# Altium PCB cyber60-mxhs.PcbDoc (part 4 of 4)
Units mm, origin at the board's own origin, x right, y up, seen from the top; angles counter-clockwise.
Board outline 284.73 x 94.2 mm, 2 copper layers (Component Side, Bottom Layer), stack 1.571 mm thick; 236 components, 146 nets, 1621 pads, 605 vias.
Unrouted connection lines stored in the file: 6.
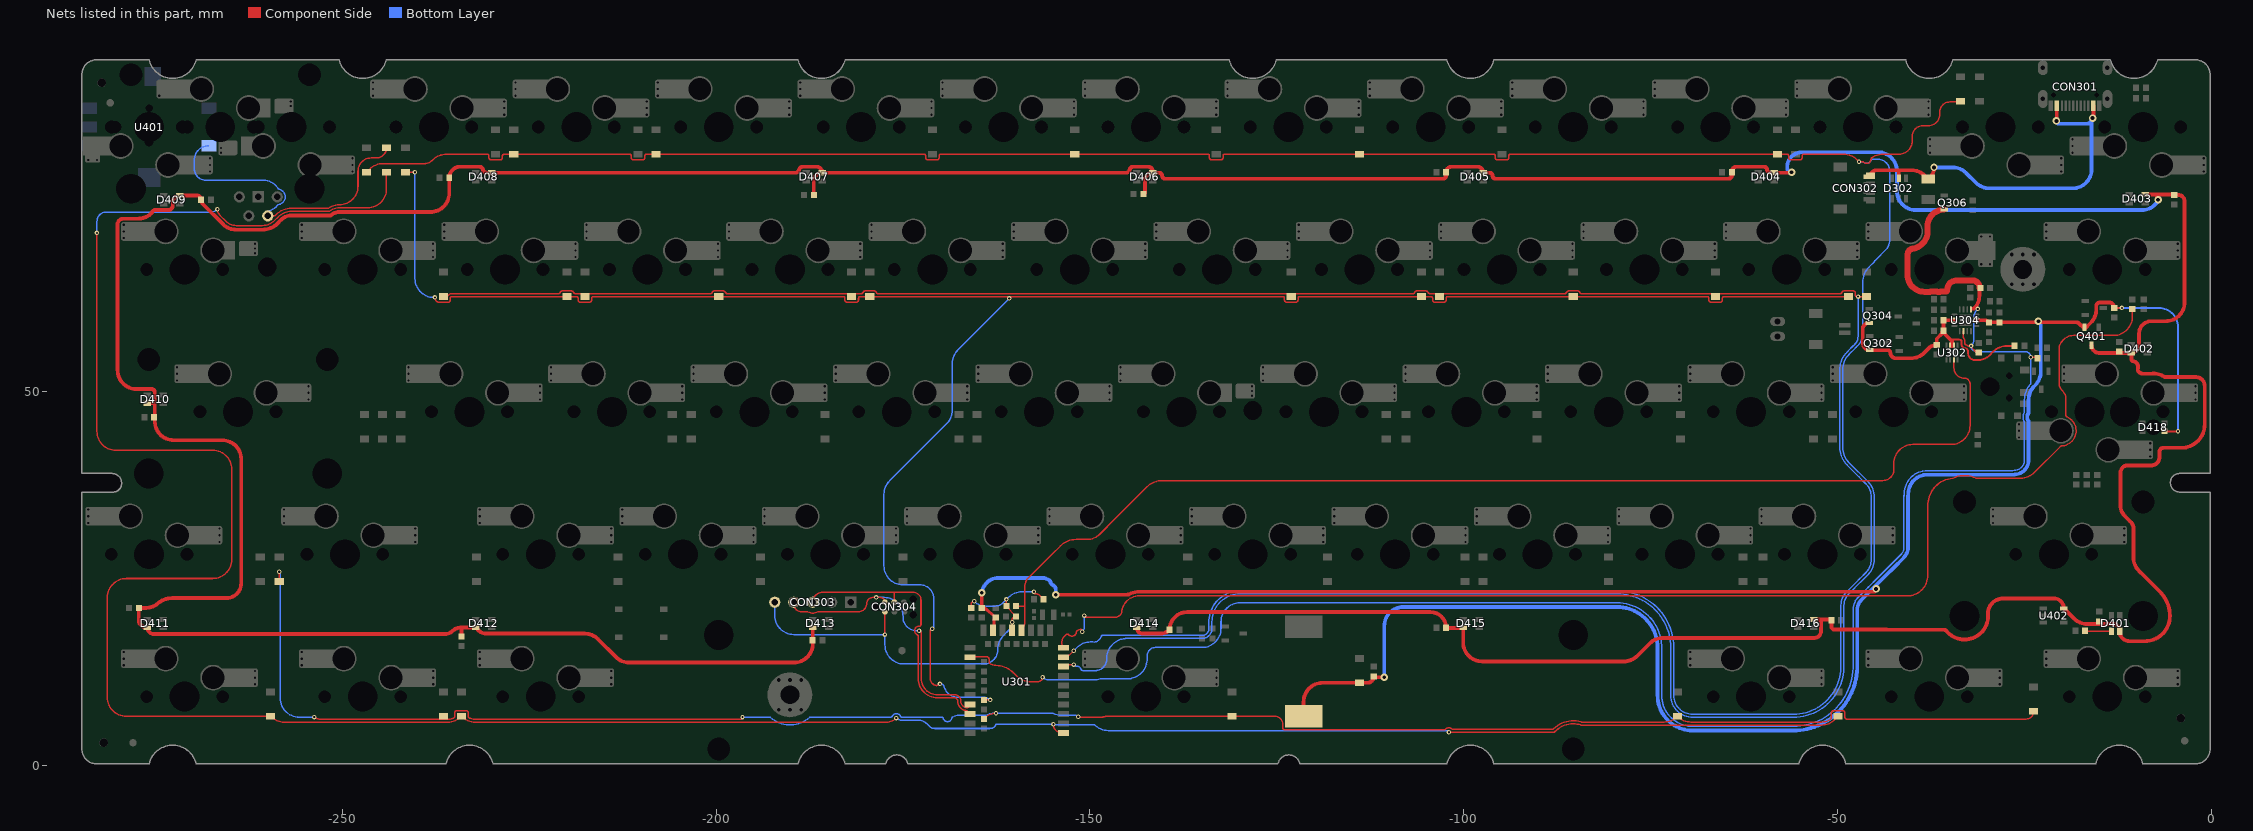
[diagram p4: the nets of this part, all layers, seen from the top]

## Via types
v1: diameter 0.6, hole 0.3, Component Side to Bottom Layer, tented both sides, 594 vias
v2: diameter 1, hole 0.5, Component Side to Bottom Layer, tented both sides, 11 vias

## Nets (pads, with @x,y where several pads share a name; then routed paths per layer and width w, separated by ;. In a path a pad name is that pad's centre, name@x,y a point inside that pad or via, vN(x,y) a via of type N, cw(c..) or ccw(c..) an arc to the next point about the centre after c; other vN are vias at no path point) (continued)
P0.29/AIN5: D202.2 D204.2 D206.2 D208.2 D210.2 D212.2 D214.2 U301.8 | length 431.5
  Component Side w0.203: D214.2@-246.761,79.365 -246.352,79.774 cw(c-244.556,77.978) -244.556,80.518 -239.112,80.518 ccw(c-239.112,82.287) -237.861,81.036 cw(c-236.065,79.24) -236.065,81.78 -230.604,81.78 cw(c-230.604,81.577) -230.401,81.577 -230.401,81.325 ccw(c-230.099,81.325) -230.099,81.023 -228.879,81.023 ccw(c-228.879,81.325) -228.577,81.325 -228.577,81.577 cw(c-228.374,81.577) -228.374,81.78 D212.2@-227.076,81.78 -211.554,81.78 cw(c-211.554,81.577) -211.351,81.577 -211.351,81.325 ccw(c-211.049,81.325) -211.049,81.023 -209.829,81.023 ccw(c-209.829,81.325) -209.527,81.325 -209.527,81.577 cw(c-209.324,81.577) -209.324,81.78 D210.2@-208.026,81.78 -172.184,81.78 cw(c-172.184,81.577) -171.981,81.577 -171.981,81.325 ccw(c-171.679,81.325) -171.679,81.023 -170.459,81.023 ccw(c-170.459,81.325) -170.157,81.325 -170.157,81.577 cw(c-169.954,81.577) -169.954,81.78 D208.2@-152.019,81.78 -134.211,81.78 cw(c-134.211,81.577) -134.008,81.577 -134.008,81.325 ccw(c-133.706,81.325) -133.706,81.023 -132.486,81.023 ccw(c-132.486,81.325) -132.184,81.325 -132.184,81.577 cw(c-131.981,81.577) -131.981,81.78 D206.2@-113.919,81.78 -95.984,81.78 cw(c-95.984,81.577) -95.781,81.577 -95.781,81.325 ccw(c-95.479,81.325) -95.479,81.023 -94.259,81.023 ccw(c-94.259,81.325) -93.957,81.325 -93.957,81.577 cw(c-93.754,81.577) -93.754,81.78 D204.2@-58.039,81.78 -56.741,81.78 cw(c-56.741,81.577) -56.538,81.577 -56.538,81.325 ccw(c-56.236,81.325) -56.236,81.023 -55.016,81.023 ccw(c-55.016,81.325) -54.714,81.325 -54.714,81.577 cw(c-54.511,81.577) -54.511,81.78 -49.177,81.78 cw(c-49.177,79.24) -47.381,81.036 v1(-47.117,80.772) -46.634,80.772 cw(c-46.656,80.57) -46.516,80.717 ccw(c-46.101,81.153) -46.101,80.551 ccw(c-46.101,81.153) -45.5,81.131 cw(c-45.297,81.124) -45.417,81.288 cw(c-43.914,79.24) -43.914,81.78 -41.79,81.78 ccw(c-41.79,83.587) -40.084,82.991 ccw(c-41.79,83.587) -39.983,83.587 -39.983,84.201 cw(c-38.608,84.201) -38.608,85.576 -37.846,85.576 ccw(c-37.846,87.122) -36.3,87.122 -36.3,87.437 cw(c-34.969,87.437) -34.969,88.768 ccw(c-34.969,89.171) -34.917,88.771 cw(c-34.891,88.57) -34.892,88.773 -34.797,88.773 D202.2@-33.528,88.773 ; U301.8@-153.543,13.216 cw(c-153.259,13.216) -153.259,13.5 v1(-152.174,13.5)
  Bottom Layer w0.203: v1(-152.174,13.5) -152.124,13.45 ccw(c-151.765,13.809) -151.765,13.302 cw(c-151.765,12.7) -151.188,12.871 ccw(c-150.994,12.93) -151.049,12.735 ccw(c-150.792,13.673) -150.792,12.7 -149.273,12.7 ccw(c-149.273,14.224) -147.749,14.224 -147.749,14.368 cw(c-147.346,14.37) -147.749,14.391 ccw(c-147.952,14.4) -147.748,14.407 ccw(c-147.949,14.442) -147.746,14.431 cw(c-145.039,14.295) -147.255,15.856 ; -147.254,15.856 cw(c-145.039,14.295) -145.032,17.005 ; -145.91,16.861 cw(c-145.039,14.295) -145.032,17.005 ; -135.128,17.005 ccw(c-135.128,19.545) -135.126,17.005 ; -134.117,17.357 -134.195,17.279 cw(c-134.338,17.424) -134.217,17.26 cw(c-135.001,18.335) -134.997,17.005 -135.126,17.005 ; -55.992,6.439 -58.166,6.439 -69.358,6.439 cw(c-69.358,9.382) -69.363,6.439 cw(c-69.358,9.382) -71.602,7.477 cw(c-69.358,9.382) -72.301,9.38 cw(c-69.358,9.382) -72.301,9.382 -72.301,9.606 -72.301,14.224 -72.301,14.285 -72.301,16.102 ccw(c-72.704,16.103) -72.311,16.193 cw(c-72.113,16.236) -72.315,16.222 ccw(c-79.502,15.769) -79.016,22.954 cw(c-79,23.156) -79.047,22.959 ccw(c-79.143,22.567) -79.143,22.97 -79.883,22.97 -129.921,22.97 ccw(c-129.921,19.221) -133.399,20.622 ccw(c-129.921,19.221) -133.671,19.221 -133.671,18.335 cw(c-135.001,18.335) -133.725,17.957 cw(c-135.001,18.335) -134.666,17.047 cw(c-134.716,17.244) -134.679,17.045 cw(c-135.128,19.545) -135.126,17.005 ; -55.992,6.439 ccw(c-55.991,6.842) -55.99,6.439 ccw(c-55.991,6.842) -55.981,6.439 cw(c-55.978,6.236) -55.979,6.439 -55.891,6.439 ccw(c-55.889,6.842) -55.887,6.439 ccw(c-55.949,13.263) -49.127,13.085 ccw(c-49.53,13.095) -49.127,13.095 -49.127,21.432 cw(c-46.99,21.432) -48.5,22.944 -48.326,23.118 -46.899,24.545 ccw(c-47.183,24.831) -46.897,24.547 -46.86,24.584 cw(c-41.452,19.138) -46.844,24.6 cw(c-46.702,24.455) -46.816,24.622 -45.924,25.515 ccw(c-48.006,27.595) -45.063,27.595 -45.063,35.905 ccw(c-48.006,35.905) -45.924,37.985 -48.437,40.498 cw(c-46.355,42.579) -48.438,40.499 cw(c-46.355,42.579) -49.298,42.579 -49.298,52.929 cw(c-46.355,52.929) -48.437,55.009 -47.585,55.862 ; -47.484,55.967 ccw(c-48.768,57.404) -47.334,56.117 ; -47.333,56.117 cw(c-47.183,55.981) -47.327,56.123 -47.182,56.269 ccw(c-47.326,56.412) -47.175,56.276 ccw(c-48.768,57.7) -46.631,57.7 -46.631,64.607 cw(c-43.688,64.607) -46.407,65.733 cw(c-43.688,64.607) -45.77,66.687 -45.053,67.405 cw(c-44.85,67.384) -44.995,67.527 -43.357,69.165 ccw(c-43.502,69.307) -43.331,69.198 ccw(c-45.133,70.347) -43.007,70.128 ccw(c-43.209,70.147) -43.006,70.146 -43.006,70.478 cw(c-42.803,70.478) -43.005,70.5 -42.997,70.574 ccw(c-43.199,70.596) -42.996,70.595 -42.996,79.502 ccw(c-44.577,79.502) -43.124,80.125 ccw(c-44.577,79.502) -44.577,81.083 -45.345,81.083 ccw(c-45.344,80.88) -45.457,81.049 ccw(c-45.344,80.88) -45.535,80.95 cw(c-46.101,81.153) -45.566,80.877 cw(c-46.101,81.153) -45.917,80.58 -45.977,80.561 cw(c-46.039,80.755) -46.039,80.551 -46.101,80.551 cw(c-46.101,81.153) -46.515,80.717 ccw(c-46.655,80.569) -46.654,80.772 v1(-47.117,80.772) ; -145.032,17.005 -141.097,17.005 -135.163,17.005 -135.126,17.005
P0.30/AIN6: R401.1 U301.10 | length 182.6
  Component Side w0.203: -153.475,17.216 ccw(c-152.845,16.587) -153.735,16.587 -153.735,16.219 ccw(c-153.08,16.219) U301.10@-153.543,15.756 U301.10@-153.193,15.756 ; -153.474,17.216 -153.158,17.532 cw(c-153.015,17.388) -152.86,17.519 ccw(c-152.4,17.907) -152.59,17.336 ccw(c-152.4,17.907) -151.8,17.857 cw(c-151.598,17.839) -151.724,17.999 cw(c-151.003,17.06) -151.266,18.214 cw(c-151.221,18.016) -151.019,17.993 ccw(c-150.522,17.934) -151.022,17.934 v1(-151.022,17.907) v1@-151.042,17.907 ; v1@-150.749,19.856 -146.582,19.856 ; -146.581,19.856 ccw(c-146.58,20.71) -145.726,20.71 cw(c-145.323,20.71) -145.707,20.833 ccw(c-145.901,20.893) -145.702,20.852 cw(c-144.318,20.57) -145.683,20.935 cw(c-143.392,20.325) -143.392,22.695 -46.228,22.695 -40.667,22.695 ccw(c-40.667,25.45) -38.778,23.445 ccw(c-38.918,23.592) -38.775,23.448 -38.665,23.558 ccw(c-38.81,23.701) -38.663,23.561 ccw(c-40.667,25.45) -37.913,25.45 -37.913,34.804 cw(c-34.273,34.804) -37.907,35.001 cw(c-34.273,34.804) -34.589,38.43 ccw(c-34.607,38.632) -34.564,38.434 cw(c-34.475,38.041) -34.55,38.437 ccw(c-34.59,38.636) -34.504,38.452 cw(c-32.994,35.25) -31.506,38.462 ccw(c-31.422,38.647) -31.423,38.444 -25.473,38.444 ccw(c-25.473,40.984) -23.677,39.188 -20.174,42.691 cw(c-20.031,42.546) -20.038,42.749 ccw(c-20.104,44.775) -19.857,42.763 ccw(c-20.104,44.775) -18.083,44.62 ccw(c-20.104,44.775) -19.309,46.639 cw(c-19.228,46.825) -19.431,46.824 -19.431,49.002 ccw(c-21.013,49.002) -19.894,50.12 ; -19.895,50.121 cw(c-18.776,51.239) -20.358,51.239 -20.358,55.588 cw(c-18.415,55.588) -18.415,57.531 -13.081,57.531 ccw(c-13.081,60.071) -10.541,60.071 R401.1@-10.541,61.072
  Bottom Layer w0.203: v1(-151.022,17.907) ccw(c-151.683,18.567) -150.815,18.221 ccw(c-151.683,18.567) -150.749,18.567 v1(-150.749,20.066)
P0.31/AIN7: D215.2 D217.2 D219.2 D221.2 D223.2 D225.2 D227.2 U301.9 | length 371.3
  Component Side w0.203: D227.2@-236.474,62.73 -236.059,62.73 ccw(c-236.059,62.933) -235.884,62.831 cw(c-235.359,62.527) -235.359,63.133 -221.056,63.133 ccw(c-221.056,63.336) -220.862,63.275 cw(c-220.574,63.185) -220.574,63.487 -219.354,63.487 cw(c-219.354,63.185) -219.066,63.275 ccw(c-218.872,63.336) -218.872,63.133 -217.551,63.133 -200.736,63.133 ccw(c-200.736,63.336) -200.542,63.275 cw(c-200.254,63.185) -200.254,63.487 -199.034,63.487 cw(c-199.034,63.185) -198.746,63.275 ccw(c-198.552,63.336) -198.552,63.133 -186.69,63.133 -185.64,63.133 -182.977,63.133 -180.543,63.133 ccw(c-180.543,63.336) -180.349,63.275 cw(c-180.061,63.185) -180.061,63.487 -178.841,63.487 cw(c-178.841,63.185) -178.553,63.275 ccw(c-178.359,63.336) -178.359,63.133 -154.051,63.133 -121.158,63.133 -106.756,63.133 ccw(c-106.756,63.336) -106.562,63.275 cw(c-106.274,63.185) -106.274,63.487 -105.054,63.487 cw(c-105.054,63.185) -104.766,63.275 ccw(c-104.572,63.336) -104.572,63.133 -102.849,63.133 -100.759,63.133 -100.203,63.133 -86.436,63.133 ccw(c-86.436,63.336) -86.242,63.275 cw(c-85.954,63.185) -85.954,63.487 -84.734,63.487 cw(c-84.734,63.185) -84.446,63.275 ccw(c-84.252,63.336) -84.252,63.133 -68.707,63.133 -66.294,63.133 -53.707,63.133 -49.53,63.133 ccw(c-49.61,63.32) -49.415,63.266 cw(c-49.124,63.185) -49.124,63.487 -47.904,63.487 cw(c-47.904,63.185) -47.602,63.185 -47.602,62.933 ccw(c-47.399,62.933) -47.399,62.73 D215.2@-46.101,62.73 ; v1(-152.146,15.367) -152.662,14.851 cw(c-153.543,15.732) U301.9@-153.118,14.561 ; U301.9@-153.118,14.561 cw(c-153.543,15.732) U301.9@-153.543,14.486 -153.193,14.486 U301.9@-153.118,14.561
  Bottom Layer w0.203: v1(-152.146,15.367) -151.728,15.785 cw(c-149.932,13.989) -149.932,16.529 -149.604,16.529 ccw(c-149.479,17.526) -148.51,17.26 cw(c-148.315,17.205) -148.316,17.408 -135.128,17.408 ccw(c-135.128,19.545) -134.768,17.438 ccw(c-134.804,17.638) -134.75,17.442 ccw(c-135.001,18.335) -134.483,17.566 ccw(c-134.598,17.734) -134.455,17.589 -134.402,17.643 cw(c-134.117,17.357) -134.34,17.693 ccw(c-134.453,17.862) -134.3,17.728 ccw(c-135.001,18.335) -134.074,18.335 -134.074,19.221 cw(c-129.921,19.221) -134.069,19.422 ; -134.069,19.423 cw(c-129.921,19.221) -130.123,23.368 ccw(c-130.134,23.571) -130.088,23.373 -78.892,23.373 ccw(c-78.813,23.561) -78.886,23.371 -78.854,23.362 ccw(c-78.758,23.541) -78.779,23.339 cw(c-79.502,15.769) -72.098,17.5 ccw(c-71.9,17.547) -72.096,17.495 cw(c-78.205,15.871) -71.904,16.366 ccw(c-71.708,16.423) -71.898,16.35 -71.898,16.101 -71.898,14.693 -71.898,14.224 ; -71.898,14.223 -71.898,9.382 ccw(c-69.358,9.382) -69.363,6.842 -55.991,6.842 -55.889,6.842 ccw(c-55.949,13.263) -49.53,13.095 -49.53,21.432 cw(c-46.99,21.432) -48.786,23.228 -47.183,24.831 cw(c-41.452,19.138) -46.99,25.019 -46.21,25.799 ccw(c-48.006,27.595) -45.466,27.595 -45.466,35.905 ccw(c-48.006,35.905) -46.21,37.701 -47.117,38.608 -48.719,40.21 cw(c-46.355,42.579) -48.724,40.215 cw(c-46.355,42.579) -49.701,42.579 -49.701,52.929 cw(c-46.355,52.929) -49.52,54.015 cw(c-46.355,52.929) -48.721,55.296 -48.579,55.437 -47.871,56.145 ccw(c-49.381,57.658) -47.796,56.225 cw(c-47.348,55.816) -47.754,56.266 ccw(c-48.768,57.404) -47.244,57.404 v1(-47.244,62.738)
P1.00: D216.2 D218.2 D220.2 D222.2 D224.2 D226.2 D228.2 U301.36 | length 288.2
  Component Side w0.203: D228.2@-241.554,79.365 -241.554,79.375 v1(-240.284,79.375) ; v1(-237.617,62.611) -237.617,62.608 ccw(c-236.982,62.608) -237.3,62.059 cw(c-237.402,61.883) -237.274,62.041 ccw(c-237.084,62.275) -237.084,61.973 -235.864,61.973 ccw(c-235.864,62.275) -235.562,62.275 -235.562,62.527 cw(c-235.359,62.527) -235.359,62.73 D226.2@-219.964,62.73 -218.666,62.73 cw(c-218.666,62.527) -218.463,62.527 -218.463,62.275 ccw(c-218.161,62.275) -218.161,61.973 -216.941,61.973 ccw(c-216.941,62.275) -216.639,62.275 -216.639,62.527 cw(c-216.436,62.527) -216.436,62.73 D224.2@-199.644,62.73 -182.979,62.73 cw(c-182.979,62.527) -182.776,62.527 -182.776,62.275 ccw(c-182.474,62.275) -182.474,61.973 -181.254,61.973 ccw(c-181.254,62.275) -180.952,62.275 -180.952,62.527 cw(c-180.749,62.527) -180.749,62.73 D222.2@-179.451,62.73 -124.178,62.73 cw(c-124.178,62.527) -123.975,62.527 -123.975,62.275 ccw(c-123.673,62.275) -123.673,61.973 -122.453,61.973 ccw(c-122.453,62.275) -122.151,62.275 -122.151,62.527 cw(c-121.948,62.527) -121.948,62.73 D220.2@-105.664,62.73 -105.664,62.563 cw(c-105.291,62.23) -105.291,62.73 -104.366,62.73 cw(c-104.366,62.527) -104.163,62.527 -104.163,62.275 ccw(c-103.861,62.275) -103.861,61.973 -102.641,61.973 ccw(c-102.641,62.275) -102.339,62.275 -102.339,62.527 cw(c-102.136,62.527) -102.136,62.73 D218.2@-85.344,62.73 -67.409,62.73 cw(c-67.409,62.527) -67.206,62.527 -67.206,62.275 ccw(c-66.904,62.275) -66.904,61.973 -65.684,61.973 ccw(c-65.684,62.275) -65.382,62.275 -65.382,62.527 cw(c-65.179,62.527) -65.178,62.73 D216.2@-48.514,62.73 ; v1(-171.1,18.288) ccw(c-171.1,18.038) -171.35,18.038 -171.35,11.643 ccw(c-170.397,11.643) -170.735,10.752 ; -170.735,10.752 ccw(c-170.397,11.643) -170.542,10.701 ccw(c-170.512,10.902) -170.353,10.776 cw(c-170.053,10.541) v1(-170.053,10.922) ; U301.36@-164.193,8.771 v1(-163.322,8.771)
  Bottom Layer w0.203: v1(-240.284,79.375) -240.284,65.151 ccw(c-237.744,65.151) -237.744,62.611 v1(-237.617,62.611) ; v1(-171.1,18.288) -170.952,18.436 ccw(c-171.096,18.579) -170.893,18.579 -170.893,20.385 ccw(c-171.096,20.385) -170.893,20.389 -170.894,20.433 cw(c-169.884,20.455) -170.889,20.56 cw(c-169.884,20.455) -170.888,20.564 ccw(c-171.486,20.626) -170.89,20.706 cw(c-169.888,20.828) -170.898,20.826 ; -170.898,20.827 -170.898,21.082 -170.898,22.359 ccw(c-172.713,22.359) -171.966,24.013 ccw(c-172.713,22.359) -172.538,24.166 ccw(c-172.713,22.359) -172.625,24.172 ccw(c-172.713,22.359) -172.703,24.174 cw(c-172.7,24.378) -172.709,24.175 -175.006,24.175 cw(c-175.006,26.715) -177.546,26.715 -177.546,36.286 cw(c-175.006,36.286) -176.802,38.082 -169.146,45.738 ccw(c-170.942,47.534) -168.402,47.534 -168.402,53.812 cw(c-165.862,53.812) -167.658,55.608 v1(-160.782,62.484) ; v1(-170.053,10.922) -169.976,10.922 cw(c-169.976,10.401) -169.605,10.767 cw(c-169.751,10.625) -169.603,10.765 ccw(c-169.164,11.176) -169.595,10.757 cw(c-169.742,10.616) -169.592,10.753 cw(c-169.976,10.401) -169.582,10.742 ccw(c-169.43,10.876) -169.536,10.703 ccw(c-167.64,11.049) -167.64,9.122 -164.169,9.122 cw(c-164.169,7.924) -163.68,9.017 cw(c-164.169,7.924) v1(-163.322,8.771)
P1.04: D257.2 D259.2 D261.2 D265.2 D267.2 U301.40 | length 263.3
  Component Side w0.203: D267.2@-258.445,24.63 v1(-258.445,25.908) ; v1(-253.746,6.477) ccw(c-253.133,7.09) -253.133,6.223 -235.591,6.223 ccw(c-235.895,8.338) -235.297,6.287 ccw(c-235.895,8.338) -235.1,6.355 -235.032,6.422 ccw(c-235.176,6.566) -234.973,6.566 -234.973,7.035 cw(c-234.671,7.035) -234.671,7.337 -233.451,7.337 cw(c-233.451,7.035) -233.149,7.035 -233.149,6.707 ccw(c-231.926,6.707) -233.132,6.504 ccw(c-232.932,6.538) -233.007,6.349 ccw(c-232.227,8.338) -232.698,6.254 ccw(c-232.227,8.338) -232.227,6.201 -196.745,6.201 ccw(c-196.745,6.477) v1(-196.469,6.477) ; U301.40@-164.044,6.38 cw(c-162.584,4.92) -164.043,6.381 cw(c-162.584,4.92) -163.878,6.529 cw(c-162.584,4.92) -162.584,6.985 v1(-162.56,6.985) ; v1(-151.572,6.538) -151.556,6.522 ccw(c-151.413,6.666) -151.413,6.463 -148.443,6.463 ccw(c-148.443,7.1) -148.261,6.489 cw(c-148.202,6.295) -148.205,6.498 ccw(c-148.209,7.1) -147.945,6.559 cw(c-147.855,6.377) -147.856,6.58 D261.2@-131,6.58 -125.244,6.58 cw(c-125.244,5.549) -124.214,5.549 -124.214,5.073 ccw(c-123.912,5.073) -123.912,4.771 -121.666,4.771 -102.575,4.771 ccw(c-102.576,4.975) -102.423,4.841 cw(c-101.97,4.445) -101.574,4.898 ccw(c-101.441,5.051) -101.442,4.848 -99.961,4.848 -95.758,4.848 -88.124,4.848 ccw(c-88.125,5.051) -87.983,4.906 cw(c-85.349,2.23) -84.276,5.828 ccw(c-84.219,6.023) -84.22,5.82 -73.186,5.82 ccw(c-73.186,8.36) -71.39,6.564 ccw(c-69.594,8.36) -69.594,5.82 -52.127,5.82 ccw(c-52.127,7.957) -50.94,6.179 ccw(c-51.054,6.348) -50.861,6.284 ccw(c-51.613,6.528) -50.823,6.528 -50.823,7.035 cw(c-50.521,7.035) -50.521,7.337 -49.301,7.337 cw(c-49.301,7.035) -48.999,7.035 -48.999,6.426 ccw(c-48.796,6.426) -48.796,6.223 -24.781,6.223 ccw(c-24.781,7.255) D257.2@-23.749,7.255
  Bottom Layer w0.203: v1@-258.318,25.654 -258.318,9.017 ccw(c-255.778,9.017) -255.778,6.477 v1(-253.746,6.477) ; v1(-196.469,6.477) -192.873,6.477 cw(c-192.874,6.274) -192.742,6.428 ccw(c-190.119,9.45) -187.496,6.428 cw(c-187.364,6.274) -187.365,6.477 -176.628,6.477 ccw(c-176.629,6.68) -176.444,6.596 cw(c-175.895,6.35) -175.346,6.596 ccw(c-175.161,6.68) -175.162,6.477 -169.815,6.477 cw(c-169.816,6.274) -169.619,6.326 ccw(c-169.037,6.477) -169.55,6.162 ccw(c-169.037,6.477) -168.447,6.358 cw(c-168.248,6.317) -168.346,6.495 cw(c-167.504,4.944) -167.504,6.709 -164.719,6.709 -164.465,6.709 ; -164.464,6.709 -164.242,6.709 ccw(c-164.242,8.413) -163.505,6.876 cw(c-163.416,6.694) -163.393,6.896 ccw(c-163.322,7.493) -163.04,6.962 cw(c-162.945,6.782) -162.946,6.985 v1(-162.56,6.985) -155.021,6.985 cw(c-155.022,6.782) -154.942,6.969 ccw(c-153.783,9.674) -153.783,6.731 -151.849,6.731
P1.09: R304.2 U301.17 U302.7 | length 154.4
  Component Side w0.203: R304.2@-159.878,21.336 -158.725,21.336 ; U301.17@-158.863,18.165 -158.865,18.165 U301.17@-159.163,18.106 ccw(c-160.221,19.164) -158.725,19.164 ; -158.723,19.068 ccw(c-158.926,19.059) -158.724,19.073 cw(c-158.321,19.103) -158.725,19.103 -158.725,19.164 ; -155.062,28.262 -158.213,25.111 ccw(c-156.98,23.876) -158.725,23.876 -158.725,21.336 ; -155.061,28.262 -153.944,29.379 cw(c-151.845,27.28) -153.539,29.718 cw(c-151.845,27.28) -151.845,30.248 -150.392,30.248 ccw(c-150.392,32.814) -149.194,30.545 ccw(c-149.29,30.724) -149.188,30.549 ccw(c-150.288,32.41) -148.758,30.883 -146.5,33.14 ; -146.5,33.141 -142.387,37.253 cw(c-140.288,35.154) -140.288,38.122 -43.942,38.122 ccw(c-43.942,39.624) -42.45,39.449 -42.45,40.408 cw(c-39.91,40.408) -39.91,42.948 -34.798,42.948 ccw(c-34.798,45.488) -32.258,45.488 -32.258,51.054 ccw(c-33.02,51.054) -33.02,51.816 cw(c-33.02,53.217) -34.421,53.217 U302.7@-34.421,54.3 ; -158.725,19.164 -158.725,21.336
P1.11: D258.2 D264.2 D266.2 D270.2 U301.1 | length 376.4
  Component Side w0.203: v1(-282.829,71.247) -282.829,44.704 ccw(c-280.289,44.704) -280.289,42.164 -267.335,42.164 cw(c-267.335,39.624) -264.795,39.624 -264.795,27.559 cw(c-267.335,27.559) -267.335,25.019 -278.892,25.019 ccw(c-278.892,22.479) -281.432,22.479 -281.432,9.12 ccw(c-278.892,9.12) -278.892,6.58 D266.2@-259.588,6.58 -259.55,6.542 ccw(c-257.754,8.338) -257.754,5.798 -235.895,5.798 ccw(c-235.895,8.338) -234.099,6.542 D264.2@-234.061,6.58 -234.023,6.542 ccw(c-232.227,8.338) -232.227,5.798 -177.228,5.798 ccw(c-177.228,7.683) v1(-175.895,6.35) ; v1(-266.7,74.422) ccw(c-265.531,74.422) -266.358,73.595 -265.576,72.814 cw(c-265.968,72.42) -265.575,72.812 ccw(c-264.171,74.216) -264.171,72.231 -260.69,72.231 ccw(c-260.69,74.508) -259.08,72.898 -258.586,73.392 cw(c-256.79,71.596) -256.79,74.136 -254,74.136 -251.832,74.136 ccw(c-251.832,74.339) -251.713,74.174 cw(c-250.401,72.347) -250.401,74.597 -248.074,74.597 -246.634,74.597 ccw(c-246.634,77.137) -246.632,74.597 ccw(c-246.634,77.137) -244.094,77.137 D270.2@-244.094,79.365 ; v1(-154.874,5.522) ccw(c-153.678,5.522) -153.678,4.326 U301.1@-153.543,4.326 ; v1(-101.97,4.445) -87.954,4.445 ccw(c-87.955,4.648) -87.806,4.509 cw(c-85.349,2.23) -85.342,5.581 cw(c-85.349,2.23) -84.34,5.426 ccw(c-84.28,5.62) -84.281,5.417 -52.127,5.417 ccw(c-52.127,7.957) -50.33,6.161 D258.2@-49.949,6.542
  Bottom Layer w0.203: v1(-282.829,71.247) -282.829,72.771 cw(c-281.559,72.771) -281.559,74.041 -267.62,74.041 ccw(c-267.62,75.342) v1(-266.7,74.422) ; v1(-175.895,6.35) ccw(c-175.228,7.017) -175.435,6.097 ccw(c-175.228,7.017) -175.228,6.074 -173.047,6.074 cw(c-173.047,4.217) -171.736,5.531 ; -149.241,5.324 cw(c-147.543,7.229) -149.327,5.404 ccw(c-149.468,5.258) -149.467,5.461 -152.108,5.461 ccw(c-152.107,5.258) -152.164,5.453 cw(c-152.334,6.03) -152.504,5.453 ccw(c-152.561,5.258) -152.56,5.461 -154.813,5.461 cw(c-154.813,5.522) v1(-154.874,5.522) -162.438,5.522 ccw(c-162.437,5.319) -162.628,5.388 cw(c-163.195,5.588) -163.219,4.987 ccw(c-163.227,4.784) -163.294,4.976 cw(c-163.427,5.356) -163.427,4.953 -164.592,4.953 -170.726,4.953 cw(c-170.726,5.995) -170.985,4.986 ccw(c-171.034,4.788) -171.011,4.99 cw(c-170.942,5.588) -171.367,5.162 cw(c-170.942,5.588) -171.368,5.163 cw(c-170.942,5.588) -171.398,5.196 ccw(c-171.552,5.063) -171.419,5.216 cw(c-170.726,5.995) -171.463,5.258 -171.735,5.53 ; -149.24,5.323 ccw(c-147.543,7.229) -147.543,4.677 -102.202,4.677 cw(c-102.202,4.445) v1(-101.97,4.445) ; -171.735,5.53 ccw(c-173.047,4.217) -171.736,5.531
RAW: CON301.A4B9 CON301.B4A9 CON302.1 D302.5 F301.2 | length 50.7
  Component Side w0.5: CON302.1@-45.625,78.75 cw(c-44.746,78.75) -44.746,79.629 -41.783,79.629 ; D302.5@-41.783,78.591 -41.783,79.629 ; v2(-37.084,80.01) -37.084,79.976 cw(c-38.955,79.976) -37.632,78.653 F301.2@-37.846,78.439 -38.292,78.885 ccw(c-40.088,77.089) -40.088,79.629 -41.783,79.629 ; v2(-20.701,86.233) ccw(c-20.701,86.284) -20.65,86.284 CON301.B4A9@-20.65,88.25 ; v2(-15.875,86.614) ccw(c-16.177,86.916) -15.75,86.916 CON301.A4B9@-15.75,88.25
  Bottom Layer w0.5: v2(-37.084,80.01) -34.58,80.01 cw(c-34.58,77.47) -32.784,79.266 -31.478,77.96 ccw(c-29.682,79.756) -29.682,77.216 -18.542,77.216 ccw(c-18.542,79.756) -16.002,79.756 -16.002,86.487 cw(c-16.637,86.487) -16.637,85.852 -20.32,85.852 cw(c-20.32,86.233) v2(-20.701,86.233)
ROT_SW_A1: CON401.1 D270.1 U401.1 | length 44.9
  Component Side w0.203: CON401.1@-259.969,73.533 -259.099,73.533 ccw(c-259.099,73.736) -258.956,73.592 -258.87,73.678 cw(c-256.79,71.596) -256.79,74.539 -254,74.539 -251.956,74.539 ccw(c-251.956,74.743) -251.845,74.572 cw(c-250.401,72.347) -250.401,75 ccw(c-250.401,77.497) -247.904,77.497 -247.904,79.502 cw(c-246.126,79.502) -246.126,81.28 -245.449,81.28 ccw(c-245.449,82.635) D270.1@-244.094,82.635
  Bottom Layer w0.203: U401.1@-267.844,82.915 ccw(c-267.844,80.928) -269.831,80.928 -269.831,80.347 ccw(c-268.097,80.347) -269.825,80.207 cw(c-270.628,80.138) -269.825,80.206 cw(c-270.628,80.138) -269.825,80.202 cw(c-270.628,80.138) -269.822,80.136 -269.822,79.874 ccw(c-268.224,79.874) -268.224,78.276 -260.499,78.276 cw(c-260.499,76.073) -258.602,77.193 ccw(c-258.428,77.298) -258.473,77.1 cw(c-258.699,76.073) -258.428,77.089 cw(c-258.699,76.073) -258.427,77.089 ; CON401.1@-259.969,73.533 -259.969,73.669 cw(c-258.613,73.669) -259.899,74.1 cw(c-259.706,74.034) -259.753,74.232 ccw(c-260.187,76.073) -258.613,75.025 ccw(c-258.699,76.073) -258.427,77.089 ; -257.647,76.073 ccw(c-258.699,76.073) -258.427,77.089
SWDCLK: CON303.3 CON304.4 U301.39 | length 38
  Component Side w0.203: CON303.3@-187.071,21.844 cw(c-185.718,21.844) -185.718,23.197 -176.149,23.197 ; CON304.4@-176.149,21.844 -176.149,23.197 ; U301.39@-166.043,6.866 -166.37,7.164 -166.37,7.176 ccw(c-166.571,7.147) -166.553,7.35 cw(c-166.432,8.574) -166.647,7.363 cw(c-166.432,8.574) -167.662,8.574 ccw(c-168.166,8.574) -167.676,8.693 ccw(c-168.166,8.574) -168.166,9.077 -170.397,9.077 cw(c-170.397,11.643) -172.963,11.643 -172.963,17.296 ccw(c-173.166,17.295) -173.085,17.482 cw(c-172.847,18.034) -172.808,18.634 ccw(c-172.796,18.837) -172.593,18.836 -172.593,22.106 ccw(c-173.684,22.106) -173.684,23.197 -176.149,23.197
SWDIO: CON303.4 CON304.2 U301.37 | length 38.7
  Component Side w0.203: CON303.4@-189.581,21.568 ccw(c-188.586,21.568) -189.58,21.54 ccw(c-188.586,21.568) -189.14,20.743 ccw(c-188.586,21.568) -188.586,20.574 -187.833,20.574 cw(c-187.832,20.371) -187.738,20.551 ccw(c-187.071,21.844) -186.404,20.551 cw(c-186.31,20.371) -186.309,20.574 -180.975,20.574 ccw(c-180.975,21.717) -179.832,21.717 cw(c-179.07,21.717) -179.07,22.479 v1(-178.562,22.479) -178.054,22.479 cw(c-178.054,21.844) CON304.2@-177.419,21.844 ; v1(-172.847,18.034) cw(c-172.847,17.747) -172.56,17.747 -172.56,11.643 ccw(c-170.397,11.643) -170.397,9.481 -168.166,9.481 cw(c-168.166,8.574) -167.259,8.574 ccw(c-166.432,8.574) -166.432,7.747 ccw(c-166.432,8.136) U301.37@-166.043,8.136 U301.37@-166.696,8.136
  Bottom Layer w0.203: v1(-178.562,22.479) -177.528,22.479 cw(c-177.528,19.939) -174.988,19.939 -174.988,19.83 ccw(c-173.191,19.83) -173.191,18.034 v1(-172.847,18.034)
UG_OUT: D401.4 R407.1 | length 3.6
  Component Side w0.203: R407.1@-16.876,18.034 ccw(c-16.777,18.034) -16.777,17.935 D401.4@-13.35,17.935
VBAT: C307.2 C312.2 C313.2 Q302.2 Q304.2 R311.2 U302.2 U302.3 U304.2 U304.3 | length 33.2
  Component Side w0.254: -34.671,57.013 -34.026,57.013 cw(c-34.026,55.499) -33.556,56.938 cw(c-33.635,56.697) -33.381,56.698 -33.381,56.217 ccw(c-33.054,56.217) -33.12,55.897 cw(c-33.12,55.288) -32.512,55.288 -32.512,55.115 ccw(c-31.646,55.115) -31.646,54.249 -31.115,54.249 ccw(c-31.115,56.263) -29.692,54.838 ; -29.691,54.839 -29.14,55.39 cw(c-27.344,53.594) -27.344,56.134 R311.2@-26.304,56.134
  Component Side w0.5: Q304.2@-45.72,59.187 -45.842,59.187 ccw(c-45.842,58.42) -46.609,58.42 -46.609,56.524 ccw(c-45.65,56.524) Q302.2@-45.65,55.565 -43.246,55.565 cw(c-43.246,55.245) -42.926,55.245 ccw(c-42.164,55.245) -42.164,54.483 -40.179,54.483 ccw(c-40.179,57.048) -38.365,55.234 -37.761,55.838 cw(c-36.703,54.779) C307.2@-36.703,56.276 -36.703,57.101 -35.949,57.855 -35.949,57.991 C312.2@-35.799,58.141 ; -34.671,56.134 -34.671,56.769 -35.799,57.897 C312.2@-35.799,58.166 C313.2@-35.799,59.563 -34.417,59.563
VBUS: C308.2 C309.2 Q306.2 R305.1 U301.27 U304.6 U304.13 | length 247.4
  Component Side w0.203: U301.27@-165.924,14.605 U301.27@-166.043,14.486 cw(c-165.882,14.325) -165.882,14.553 -163.793,14.553 cw(c-163.793,14.251) -163.491,14.251 -163.491,13.837 ccw(c-163.288,13.838) -163.404,13.671 ccw(c-162.48,15.017) -162.573,13.387 ccw(c-162.562,13.59) -162.566,13.387 cw(c-162.604,10.041) -160.239,12.408 cw(c-162.604,10.041) -160.237,12.407 ; -160.236,12.406 -159.795,11.964 ccw(c-157.999,13.76) -157.999,11.22 -156.928,11.22 ccw(c-156.928,11.811) -156.371,11.614 ccw(c-156.928,11.811) v1(-156.337,11.811) ; U304.6@-33.143,58.113 -33.143,57.244 ccw(c-32.94,57.246) -33.1,57.121 cw(c-33.635,56.697) -32.965,56.827 cw(c-33.635,56.697) -32.952,56.697 -32.952,56.471 ccw(c-32.749,56.472) -32.811,56.278 cw(c-33.12,55.288) -32.462,56.09 ; v1@-32.218,56.046 -31.438,55.274 C308.2@-31.115,54.976 ; v1(-24.13,54.61) -23.563,54.61 cw(c-23.563,54.176) R305.1@-23.256,54.483
  Component Side w0.5: -32.004,61.09 -31.747,61.09 ccw(c-33.543,62.886) -31.003,62.886 C309.2@-31.003,63.881
  Component Side w0.8: -38.354,63.373 cw(c-38.354,65.644) -40.625,65.644 -40.625,68.315 cw(c-39.765,68.315) -40.417,68.875 cw(c-39.811,68.353) -39.928,69.145 ccw(c-40.265,71.445) -39.765,69.174 ccw(c-39.844,69.971) -39.489,69.253 ccw(c-40.265,71.445) -37.941,71.513 cw(c-37.141,71.533) -37.941,71.531 -37.941,72.164 cw(c-35.744,72.164) Q306.2@-35.744,74.361 ; -38.1,63.373 -37.655,63.373 ccw(c-37.658,64.173) -37.568,63.378 cw(c-37.499,62.782) -37.499,63.382 -36.699,63.382 cw(c-36.699,62.782) -36.63,63.378 ccw(c-36.54,64.173) -36.543,63.373 -36.354,63.373 ccw(c-36.358,64.173) -36.269,63.378 cw(c-36.199,62.782) -36.199,63.382 -35.551,63.382 ccw(c-35.551,63.616) -35.317,63.616 cw(c-34.036,63.616) -34.036,64.897 -31.95,64.897 cw(c-31.95,64.097) -31.943,64.897 cw(c-31.943,63.957) -31.925,64.897 cw(c-31.943,63.957) -31.91,64.896 ccw(c-31.885,65.696) -31.887,64.896 -31.828,64.896 cw(c-31.833,64.296) -31.469,64.773 ccw(c-30.982,65.408) -31.467,64.771 ccw(c-30.982,65.408) -31.425,64.742 cw(c-31.943,63.957) -31.003,63.957 C309.2@-31.003,63.881 ; -37.941,71.373 ccw(c-40.265,71.445) -37.941,71.512
  Bottom Layer w0.203: v1(-156.337,11.811) ccw(c-155.563,12.585) -155.563,11.49 -149.273,11.49 ccw(c-149.273,14.224) -148.582,11.579 cw(c-148.532,11.382) -148.533,11.585 -146.685,11.585 -145.032,11.585 ccw(c-145.039,14.295) -142.891,12.644 ccw(c-145.039,14.295) -142.338,14.085 ccw(c-145.039,14.295) -142.33,14.311 ; -142.33,14.313 -142.33,14.699 cw(c-141.234,14.699) -141.232,15.795 -140.318,15.795 -135.001,15.795 ccw(c-135.001,18.335) -132.461,18.335 -132.461,19.221 cw(c-129.921,19.221) -129.921,21.761 -79.502,21.761 cw(c-79.502,15.769) -73.655,17.078 cw(c-79.502,15.769) -73.511,15.769 -73.511,12.827 cw(c-73.714,12.825) -73.511,12.825 -73.511,9.382 ccw(c-69.358,9.382) -69.358,5.229 -58.166,5.229 ccw(c-58.166,6.439) -58.162,5.229 -55.994,5.229 ccw(c-55.991,6.842) -55.972,5.229 cw(c-55.968,5.026) -55.967,5.229 -55.893,5.229 ccw(c-55.889,6.842) -55.873,5.229 ccw(c-55.949,13.263) -47.918,13.059 ccw(c-49.53,13.095) -47.917,13.095 -47.917,20.759 cw(c-45.377,20.759) -47.912,20.926 cw(c-46.862,20.857) -47.907,20.974 -47.893,21.107 cw(c-46.847,20.991) -47.887,21.148 cw(c-45.377,20.759) -47.646,21.9 ccw(c-47.828,21.991) -47.629,21.948 -47.621,21.99 ; -47.62,21.991 cw(c-47.422,21.948) -47.595,22.055 cw(c-45.78,20.926) -47.29,22.438 -45.965,23.763 cw(c-43.385,21.191) -45.961,23.768 -45.596,24.133 ; -45.595,24.133 -44.951,24.777 -41.534,28.194 ccw(c-42.545,29.215) -41.108,29.215 -41.108,34.925 -41.108,35.814 cw(c-37.465,35.814) -41.067,36.363 ccw(c-41.268,36.392) -41.065,36.39 cw(c-37.973,36.366) -37.973,39.457 -34.798,39.457 -26.543,39.457 ccw(c-26.543,41.446) -25.742,39.626 ccw(c-25.825,39.811) -25.729,39.632 ccw(c-26.416,40.894) -24.992,40.704 -24.992,41.429 cw(c-24.257,41.429) -24.982,41.55 ccw(c-25.182,41.582) -24.979,41.581 -24.979,45.863 ccw(c-25.182,45.862) -25.006,45.962 cw(c-23.876,46.609) -25.005,47.256 ccw(c-25.182,47.356) -24.979,47.355 -24.979,48.942 cw(c-21.888,48.942) -24.182,51.015 ccw(c-24.333,51.15) -24.13,51.149 v1(-24.13,54.61) ccw(c-24.892,54.61) -24.892,55.372 -31.369,55.372 cw(c-31.369,56.134) v1(-32.131,56.134) ccw(c-33.051,57.054) -31.75,57.054 -31.75,59.861 cw(c-30.016,59.861) v1(-31.242,61.087)
VCC_EXT: C401.2 C402.2 C403.2 C404.2 C405.2 C406.2 C407.2 C408.2 C409.2 C410.2 C411.2 C412.2 C413.2 C414.2 C415.2 C416.2 D401.1 D402.1 D403.1 D404.1 D405.1 D406.1 D407.1 D408.1 D409.1 D410.1 D411.1 D412.1 D413.1 D414.1 D415.1 D416.1 Q401.3 U402.5 | length 731.1
  Component Side w0.508: -276.231,73.404 ccw(c-276.041,72.933) -276.256,73.393 cw(c-277.343,75.689) -277.343,73.149 -279.302,73.149 ccw(c-279.302,72.382) -280.068,72.382 -280.068,52.894 ccw(c-277.528,52.894) -277.528,50.354 -275.525,50.354 cw(c-275.525,49.911) -275.082,49.911 -275.082,48.45 ; -276.23,73.405 ccw(c-276.885,75.048) -275.534,73.906 ccw(c-276.885,75.048) -275.477,73.977 ccw(c-276.885,75.048) -275.396,74.093 cw(c-274.969,73.819) -275.145,74.295 -273.304,74.295 ccw(c-273.304,74.93) -272.75,74.62 ccw(c-273.193,74.868) -272.685,74.868 -272.685,75.492 cw(c-272.231,75.492) -272.524,75.839 ccw(c-272.851,76.227) -272.462,75.901 cw(c-271.731,75.288) D409.1@-271.731,76.242 -269.424,76.242 cw(c-269.424,75.692) C409.2@-268.874,75.692 ccw(c-267.99,75.692) -268.615,75.067 -265.968,72.42 ccw(c-264.171,74.216) -264.171,71.676 -260.69,71.676 ccw(c-260.69,74.508) -258.686,72.506 -258.195,72.998 cw(c-256.79,71.596) -256.79,73.581 -251.562,73.581 cw(c-250.401,72.347) -250.401,74.041 -238.237,74.041 ccw(c-238.237,76.581) -235.697,76.581 C408.2@-235.697,78.613 cw(c-234.206,78.613) -235.602,79.136 cw(c-234.206,78.613) -235.364,79.552 cw(c-234.206,78.613) -234.206,80.104 -231.648,80.104 cw(c-231.648,79.65) -231.452,80.06 cw(c-231.648,79.65) -231.451,80.059 cw(c-231.648,79.65) -231.2,79.725 ccw(c-230.699,79.808) -230.716,79.3 ccw(c-230.693,80.06) -230.693,79.3 D408.1@-230.018,79.3 -189.422,79.3 ccw(c-189.422,79.947) -189.226,79.33 ccw(c-189.38,79.815) -188.879,79.727 cw(c-188.432,79.65) -188.776,79.947 cw(c-188.432,79.65) -188.432,80.104 -186.606,80.104 cw(c-186.606,79.3) -185.816,79.449 -185.816,79.3 ccw(c-185.802,78.173) -186.929,78.173 C407.2@-186.929,76.327 ; D410.1@-276.065,48.45 -275.082,48.45 ; -274.843,21.556 cw(c-272.719,19.304) -274.554,21.797 ; C412.2@-234.061,17.287 -234.061,18.45 ; D413.1@-187.065,18.45 -187.065,16.304 cw(c-189.605,16.304) -189.605,13.764 -211.594,13.764 cw(c-211.594,16.304) -213.39,14.508 -215.784,16.902 ccw(c-217.58,15.106) -217.58,17.646 -230.518,17.646 cw(c-230.518,18.1) -230.573,17.649 ccw(c-230.634,17.145) -230.635,17.653 -230.759,17.653 cw(c-230.759,19.082) -231.77,18.072 D412.1@-232.148,18.45 -234.061,18.45 ; D407.1@-185.802,79.3 -145.236,79.3 -145.164,79.3 ccw(c-145.164,79.808) -144.663,79.725 cw(c-144.215,79.65) -144.215,80.104 -142.24,80.104 cw(c-142.24,79.449) -141.585,79.449 D406.1@-141.585,79.3 ; D414.1@-143.715,18.45 ccw(c-142.911,18.45) -142.911,17.646 -140.577,17.646 ccw(c-140.577,19.404) C414.2@-139.334,18.161 cw(c-136.968,18.161) -136.968,20.527 -104.459,20.527 cw(c-104.459,18.415) C415.2@-102.347,18.415 -100.065,18.415 -100.065,16.463 ccw(c-97.525,16.463) -97.525,13.923 -92.282,13.923 -92.279,13.923 -78.569,13.923 ccw(c-78.569,16.463) -76.773,14.667 -75.107,16.333 cw(c-73.311,14.537) -73.311,17.077 -70.104,17.077 -56.261,17.077 -53.086,17.077 ccw(c-53.086,17.966) -52.197,17.966 -52.197,19.423 ccw(c-52.324,19.423) -52.324,19.55 ; C406.2@-142.86,76.454 ccw(c-142.86,76.693) -142.621,76.693 -142.621,78.264 cw(c-141.585,78.264) D406.1@-141.585,79.3 ; v2@-56.134,79.3 D404.1@-58.435,79.3 -59.019,79.3 cw(c-59.019,79.702) -59.421,79.702 ccw(c-59.823,79.702) -59.823,80.104 -63.5,80.104 ccw(c-63.5,79.484) -64.12,79.484 C404.2@-64.12,79.375 -64.12,78.936 cw(c-64.56,78.936) -64.56,78.496 -95.737,78.496 cw(c-95.737,78.898) -96.139,78.898 ccw(c-96.541,78.898) -96.541,79.3 D405.1@-97.368,79.3 ccw(c-98.172,79.3) -98.172,80.104 -101.618,80.104 ccw(c-101.618,79.375) C405.2@-102.347,79.375 -102.347,78.936 cw(c-102.787,78.936) -102.787,78.496 -139.933,78.496 cw(c-139.933,78.898) -140.335,78.898 ccw(c-140.737,78.898) -140.737,79.3 D406.1@-141.585,79.3 ; D416.1@-53.152,19.55 -52.324,19.55 ; C416.2@-50.815,19.05 -50.815,18.616 ccw(c-50.381,18.616) -50.381,18.181 -43.434,18.181 -37.338,18.162 -35.802,18.162 cw(c-35.801,17.654) -35.412,17.982 ccw(c-32.994,20.01) -30.262,18.43 cw(c-29.822,18.176) -30.261,18.432 ccw(c-32.994,20.01) -29.981,19.073 cw(c-29.476,19.017) -29.965,19.153 ccw(c-32.994,20.01) -29.864,19.673 ccw(c-32.994,20.01) -29.858,20.277 ccw(c-32.994,20.01) -29.861,20.317 cw(c-29.355,20.364) -29.863,20.376 cw(c-27.825,20.313) -27.825,22.352 -21.043,22.352 cw(c-21.043,21.016) U402.5@-19.707,21.016 -18.358,19.667 ccw(c-16.562,21.463) -16.562,18.923 -13.081,18.923 cw(c-13.081,18.092) -12.25,18.092 D401.1@-12.25,17.935 ccw(c-10.952,17.935) -10.952,16.637 -8.89,16.637 ccw(c-8.89,20.001) -5.526,19.997 ccw(c-10.135,20.001) -6.876,23.259 -6.879,23.262 -8.954,25.336 -9.66,26.043 cw(c-7.864,27.839) -10.404,27.839 -10.404,31.742 ccw(c-11.574,31.742) -10.826,32.642 cw(c-10.498,33.03) -10.856,32.669 -11.562,33.375 cw(c-10.16,34.78) -12.144,34.78 -12.144,38.912 cw(c-11.636,38.912) -12.142,38.961 -12.125,39.133 ccw(c-12.631,39.182) -12.123,39.18 -12.123,39.274 cw(c-11.615,39.273) -12.105,39.406 cw(c-11.049,39.116) -11.611,40.057 cw(c-11.351,39.62) -11.353,40.128 -8.081,40.128 ccw(c-8.081,41.297) -6.912,41.297 -6.912,41.989 cw(c-6.404,41.989) -6.404,42.497 -4,42.497 ccw(c-4,45.618) -0.879,45.618 -0.879,50.792 ccw(c-2.048,50.792) -2.048,51.962 -6.076,51.962 cw(c-6.075,52.47) -6.344,52.039 ccw(c-7.721,49.855) -8.061,52.415 cw(c-8.127,52.918) -8.125,52.41 -9.056,52.41 cw(c-9.056,53.34) -9.698,52.668 cw(c-9.323,53.01) -9.814,53.141 ccw(c-10.541,53.34) -10.541,54.094 cw(c-10.16,54.43) -10.668,54.428 -10.668,55.107 D402.1@-10.717,55.203 ; C416.2@-50.815,19.423 ccw(c-50.942,19.423) C416.2@-50.815,19.431 ccw(c-50.942,19.423) -50.942,19.55 -52.324,19.55 ; Q401.3@-16.002,56.204 ccw(c-15.001,56.204) -15.001,55.203 D402.1@-10.717,55.203 ; D403.1@-8.808,76.379 -7.112,76.379 ; v2@-7.239,76.072 cw(c-6.805,76.072) -7.112,76.379 ; C403.2@-4.953,76.342 -4.46,76.342 cw(c-4.46,75.438) -3.556,75.438 -3.556,61.976 cw(c-6.096,61.976) -6.096,59.436 -8.001,59.436 ccw(c-8.001,57.785) -9.652,57.785 -9.652,56.268 cw(c-10.717,56.268) D402.1@-10.717,55.203 ; C403.2@-4.953,76.379 -7.112,76.379 ; -275.082,48.45 -275.082,46.053 ccw(c-272.542,46.053) -272.542,43.513 -266.065,43.513 cw(c-266.065,40.973) -263.525,40.973 -263.525,24.384 cw(c-265.509,24.384) -265.509,22.4 -272.719,22.4 ccw(c-272.719,19.304) -274.844,21.555 cw(c-275.191,21.926) -274.9,21.51 cw(c-276.28,23.524) -276.28,21.082 C411.2@-277.226,21.082 -277.226,19.385 ccw(c-276.316,19.385) -277.162,19.051 ccw(c-276.065,19.753) -276.315,18.474 ccw(c-276.065,19.753) D411.1@-276.065,18.45 ccw(c-275.195,18.45) -275.195,17.58 -236.301,17.58 ccw(c-236.301,19.131) -235.204,18.034 cw(c-234.2,17.03) -234.2,18.45 -234.061,18.45
  Bottom Layer w0.508: v2(-56.134,79.375) cw(c-56.134,80.01) -56.533,79.516 cw(c-56.213,79.911) -56.721,79.911 -56.721,80.051 cw(c-54.737,80.051) -56.568,80.815 cw(c-54.737,80.051) -54.849,82.033 cw(c-54.737,80.051) -54.737,82.036 -50.795,82.036 ccw(c-50.795,82.591) -50.761,82.037 ccw(c-50.795,82.591) -50.759,82.037 cw(c-50.598,79.502) -50.598,82.042 -44.577,82.042 cw(c-44.577,79.502) -42.037,79.502 -42.037,76.835 ccw(c-39.497,76.835) -39.497,74.295 -9.307,74.295 ccw(c-9.307,76.835) -7.511,75.039 v2@-7.239,75.311
  other v2: -7.112,75.692
VDD: C305.2 CON303.5 CON304.1 L301.1 R303.1 R304.1 U301.19 | length 61.3
  Component Side w0.203: v1@-177.419,17.653 CON304.1@-177.419,20.574 ; L301.1@-165.889,21.097 -165.889,21.563 cw(c-165.481,21.563) v1(-165.481,21.971) ; v1(-161.163,22.225) -161.163,21.659 R304.1@-161.178,21.336 -160.88,21.013 -160.203,20.262 C305.2@-159.905,19.939 ccw(c-159.905,19.411) -160.433,19.411 U301.19@-160.433,18.106 ; v1(-157.48,23.241) ccw(c-156.867,23.241) -157.466,23.11 ccw(c-157.268,23.155) -157.269,22.952 -157.095,22.952 cw(c-157.095,22.65) -156.926,22.9 ccw(c-156.814,23.069) -156.91,22.89 -156.83,22.847 cw(c-156.926,22.668) -156.782,22.812 R303.1@-156.51,22.54 ; R303.1@-156.51,22.54 ccw(c-156.367,22.685) -156.493,22.525 -156.493,22.548 R303.1@-156.195,22.225 R303.1@-156.51,22.54
  Bottom Layer w0.203: CON303.5@-192.151,21.844 -192.151,20.066 ccw(c-189.611,20.066) -189.611,17.526 v1(-177.419,17.526) -177.419,16.129 ccw(c-174.879,16.129) -174.879,13.589 -164.211,13.589 ccw(c-164.211,15.494) -162.306,15.494 -162.306,15.585 cw(c-159.766,15.585) -161.562,17.381 -160.85,18.093 ccw(c-161.934,19.177) v1(-160.401,19.177) ; v1(-165.481,21.971) ccw(c-163.948,23.504) -163.948,21.336 -162.681,21.336 ccw(c-162.681,22.854) -161.608,21.78 ; -161.607,21.78 v1(-161.163,22.225) -160.891,22.497 cw(c-159.095,20.701) -159.095,23.241 v1(-157.48,23.241)
VSYS: BZ401.1 C301.2 C302.2 C310.2 C311.2 D417.2 D418.2 Q401.2 R402.2 R404.1 U301.23 U304.10 U304.11 | length 342.2
  Component Side w0.254: R402.2@-12.954,61.229 -12.954,61.214 v1(-11.938,61.214) ; D418.2@-6.223,44.704 v1(-4.445,44.704)
  Component Side w0.4: C301.2@-164.084,21.097 -164.076,21.09 -163.859,20.897 -162.812,19.997 C302.2@-162.587,19.797 -162.812,19.597 -162.812,18.656 U301.23@-162.973,18.106
  Component Side w0.5: C301.2@-164.465,21.097 v2@-164.465,22.86 ; v2(-154.559,22.86) -144.971,22.86 ccw(c-144.973,23.36) -144.743,22.916 cw(c-143.392,20.325) -143.392,23.247 -48.514,23.247 -46.482,23.247 -45.206,23.247 ccw(c-45.206,23.622) v2(-44.831,23.622) ; BZ401.1@-121.412,6.573 -121.412,8.525 cw(c-118.872,8.525) -118.872,11.065 D417.2@-113.919,11.065 -112.872,11.065 ccw(c-112.872,11.923) R404.1@-112.021,11.811 ; R404.1@-112.014,11.923 cw(c-112.872,11.923) R404.1@-112.021,11.811 ; v2(-110.617,11.811) R404.1@-112.021,11.811 ; -31.369,59.563 -30.367,59.563 cw(c-30.367,58.645) C311.2@-29.718,59.294 C310.2@-28.321,59.294 -18.035,59.294 cw(c-18.035,58.794) -17.683,59.148 -17.045,58.511 -17.016,58.482 cw(c-17.016,58.406) -16.941,58.406 -16.115,59.232 ccw(c-17.911,61.028) -15.621,59.929 ccw(c-17.911,61.028) -15.371,61.028 -15.371,61.489 cw(c-14.921,61.489) -14.921,61.939 -13.664,61.939 cw(c-13.664,61.229) R402.2@-12.954,61.229
  Bottom Layer w0.254: v1(-11.938,61.214) -7.01,61.214 cw(c-7.01,58.649) -4.445,58.649 v1(-4.445,44.704)
  Bottom Layer w0.5: v2@-164.465,22.86 cw(c-162.225,22.86) -162.225,25.1 -160.14,25.1 ccw(c-160.049,26.133) -160.049,25.096 -156.363,25.096 -156.216,25.077 ccw(c-156.152,25.573) -156.206,25.076 -156.153,25.07 cw(c-156.207,24.573) -156.111,25.064 cw(c-156.5,23.114) -155.504,24.835 cw(c-155.755,24.403) -155.277,24.549 ccw(c-154.559,24.765) -155.255,24.486 ccw(c-154.559,24.765) -154.779,24.048 cw(c-155.309,23.517) -154.559,23.517 v2(-154.559,22.86) ; v2(-110.617,11.811) -110.617,18.669 cw(c-108.077,18.669) -108.077,21.209 -79.502,21.209 cw(c-79.502,15.769) -74.062,15.769 -74.062,9.382 ccw(c-69.358,9.382) -69.358,4.678 -59.817,4.678 -55.747,4.678 -55.741,4.678 ccw(c-55.767,7.769) -55.505,4.689 cw(c-55.463,4.19) -55.491,4.69 ccw(c-55.949,13.263) -47.366,13.046 ccw(c-49.53,13.095) -47.366,13.095 -47.366,13.923 ccw(c-47.865,13.939) -47.365,13.928 cw(c-46.611,13.913) -47.364,13.96 ccw(c-49.899,14.118) -47.359,14.118 -47.359,20.847 cw(c-44.268,20.847) -47.359,20.888 cw(c-46.604,20.872) -47.354,20.959 -47.345,21.038 cw(c-46.595,20.956) -47.34,21.077 cw(c-45.377,20.759) -46.779,22.169 ; -46.778,22.17 -46.367,22.581 -45.842,23.106 -45.577,23.372 cw(c-43.385,21.191) -45.569,23.379 -45.207,23.741 ccw(c-45.881,24.418) -45.204,23.744 -44.562,24.387 ccw(c-45.235,25.063) -44.558,24.39 -44.507,24.441 -43.491,25.457 -42.516,26.432 -41.141,27.807 ccw(c-42.545,29.215) -40.557,29.215 -40.557,35.814 cw(c-37.465,35.814) -40.519,36.296 ccw(c-41.013,36.372) -40.513,36.366 cw(c-37.973,36.366) -37.973,38.906 -35.814,38.906 -34.511,38.906 -26.543,38.906 ccw(c-26.543,41.446) -25.507,39.127 ccw(c-25.713,39.582) -25.479,39.14 ccw(c-26.416,40.894) -24.428,40.894 -24.428,45.935 ccw(c-24.928,45.933) -24.506,46.203 cw(c-23.876,46.609) -24.506,47.016 ccw(c-24.928,47.285) -24.428,47.283 -24.428,48.942 cw(c-21.888,48.942) -23.684,50.738 -23.546,50.876 ccw(c-25.342,52.672) -22.802,52.672 -22.802,59.251 ccw(c-22.86,59.251) v2@-22.86,59.309
  other v2: -164.465,23.114 -23.114,59.436
pads on no net: CON301. CON301.A8 CON301.B8 CON304.0 CON304.6 D302.3 D302.4 D416.2 D418. FID1.0 FID2.0 FID3.0 FID4.0 S201. S202. S203. S204. S205. S206. S207. S208. S209. S210. S211. S212. S213. S214. S215. S216. S217. S218. S219. S220. S221. S222. S223. S224. S225. S226. S227. S228_1. S228_2. S229. S229_2. S230. S231. S232. S233. S234. S235. S236. S237. S238. S239. S240. S242. S243. S245. S246. S247. S248. S249. S250. S251. S252. S253. S254. S255. S256. S257. S258. S259. S261. S264. S265. S266. S267. STAB1. STAB2. STAB3. STAB6. SW301. U302.5 U401. U401.M

## Polygon pours and split planes (outlines as drawn)
GND on Bottom Layer "Component Side-No Net" (solid, remove dead copper, pour order 4): -0.635,93.995 -0.635,0.65 -284.48,0.65 -284.48,93.995
GND on Component Side "Component Side-No Net" (solid, remove dead copper, pour order 8): -0.635,93.995 -0.635,0.65 -284.48,0.65 -284.48,93.995

## Other copper
Component Side:
  pour cut-out: -189.992,-1.016 -118.364,-1.016 -118.364,2.413 ccw(c-119.634,2.413) -119.634,3.683 -188.722,3.683 ccw(c-188.722,2.413) -189.992,2.413
Bottom Layer:
  pour cut-out: -189.992,-1.016 -118.364,-1.016 -118.364,2.413 ccw(c-119.634,2.413) -119.634,3.683 -188.722,3.683 ccw(c-188.722,2.413) -189.992,2.413

## Silkscreen, mask and mechanical layers (free items; w line width, h text height)
Top Overlay:
  drawing of 22 lines, arcs and shapes, not listed
  text "C" at -261.493,74.422 h0.75 r180
  text "B" at -258.064,74.422 h0.75 r180
  text "A" at -264.287,73.66 h0.75
  text "ROT SW" at -263.398,70.993 h0.75
  text "Battery connector:" at -88.392,60.321 h0.75
  text "CON305: JST S2B-PH-KS (PH THT) / CON306: JST SM02B-SRSS-TB (SM SMD)" at -94.996,57.023 h0.75
  text "NOTE: Use only one 1 cell, 3.7V battery" at -96.614,55.274 h0.75
  text "ON  | OFF" at -30.988,46.838 h0.75 r90
  text "DIO" at -189.992,25.781 h0.75 r270
  text "CLK" at -187.579,25.781 h0.75 r270
  text "RST" at -185.039,25.781 h0.75 r270
  text "GND" at -182.499,25.781 h0.75 r270
  text "3V3" at -191.897,23.749 h0.75 r90
  text "6" at -173.736,23.622 h0.75
  text "2" at -178.308,23.495 h0.75
  text "Double tap S301 to enter bootloader (if flashed)" at -250.19,21.586 h0.75
  text "1" at -178.181,18.161 h0.75
  text "5" at -173.609,18.161 h0.75
  text "CON304" at -179.451,11.938 h0.75
  text "1: DIO - 2: 3V3 / 3: RST - 4: CLK / 5: GND - 6: NC" at -182.88,7.493 h0.75
  text "cyber60" at -150.64,3.374 h4.5
  text "MXHS" at -135.89,3.302 h1.5
  text "by 4pplet" at -142.113,1.397 h2
  text "Rev E1" at -150.622,1.27 h2
Bottom Overlay:
  lines w0.2: -263.779,74.803 -263.779,72.263 -258.699,72.263 -258.699,74.803 ; -265.049,74.803 -265.049,77.343 -257.429,77.343 -257.429,74.803 -265.049,74.803 ; -59.563,56.388 -56.515,56.388 -56.515,60.198 -56.515,60.579 -59.563,60.579 -59.563,56.388
  text "B" at -258.318,78.74 h0.75 r180
  text "A" at -263.525,77.978 h0.75
  text "C" at -260.858,77.978 h0.75
  text "ROT SW" at -259.08,70.993 h0.75
  text "ON  | OFF" at -32.004,46.838 h0.75 r270
outline:
  lines w0.1: -284.861,36.576 -280.67,36.576 ccw(c-280.67,37.719) -279.527,37.719 -279.527,37.795 ccw(c-280.797,37.795) -280.797,39.065 -284.85,39.065 -284.85,92.415 cw(c-282.85,92.415) -282.85,94.415 -275.85,94.415 ccw(c-272.7,95.149) -269.55,94.415 -250.424,94.415 ccw(c-247.274,95.149) -244.124,94.415 -189.05,94.415 ccw(c-185.9,95.149) -182.75,94.415 -131.361,94.415 ccw(c-128.211,95.149) -125.061,94.415 -102.25,94.415 ccw(c-99.1,95.149) -95.95,94.415 -40.874,94.415 ccw(c-37.724,95.149) -34.574,94.415 -13.477,94.415 ccw(c-10.327,95.149) -7.177,94.415 ; -284.85,36.565 -284.85,2.215 ccw(c-282.85,2.215) -282.85,0.215 -275.85,0.215 cw(c-272.7,-0.52) -269.55,0.215 -236.137,0.215 cw(c-232.987,-0.52) -229.838,0.215 -189.05,0.215 cw(c-185.9,-0.52) -182.75,0.215 -177.293,0.215 ; -177.293,0.254 cw(c-175.832,-0.087) -174.371,0.254 -124.842,0.254 cw(c-123.381,-0.087) -121.92,0.254 ; -121.92,0.215 -102.25,0.215 cw(c-99.1,-0.52) -95.95,0.215 -55.161,0.215 cw(c-52.011,-0.52) -48.861,0.215 -15.45,0.215 cw(c-12.3,-0.52) -9.15,0.215 -2.15,0.215 ccw(c-2.15,2.215) -0.15,2.215 ccw(c-0.15,2.238) -0.127,2.238 -0.127,36.576 -4.191,36.576 cw(c-4.191,37.846) -5.461,37.846 cw(c-4.242,37.846) -4.242,39.065 -0.15,39.065 -0.15,92.415 ccw(c-2.15,92.415) -2.15,94.415 -7.15,94.415
Mechanical 9:
  lines w0.2: -189.992,2.413 -189.992,-1.016 -188.722,-1.016
  lines w0.203: -189.992,2.413 cw(c-188.722,2.413) -188.722,3.683 -119.634,3.683 cw(c-119.634,2.413) -118.364,2.413 -118.364,-1.016 -188.722,-1.016

## Dimensions
-0.15,92.415 to -284.85,92.415 on top dimensions
-9.15,0.215 to -7.177,94.415 on top dimensions
-0.15,92.415 to -284.85,92.415 on bot dimensions
-9.15,0.215 to -2.15,94.415 on bot dimensions

## Text inside footprints (layer, text, board x,y; h text height)
CON301: Mechanical 15 "connector edge" at -15.25,95.5 h1 r180